# Altium PCB Beagle93.PCBDOC (part 6 of 7)
Units mm, origin at the board's own origin, x right, y up, seen from the top; angles counter-clockwise.
Board outline 86.3 x 85.3 mm, 6 copper layers (TopLayer, MidLayer1, MidLayer2, SignalLayer1, Internal Plane 1, BottomLayer), stack 1.528 mm thick; 387 components, 325 nets, 1796 pads, 884 vias.
Unrouted connection lines stored in the file: 7.
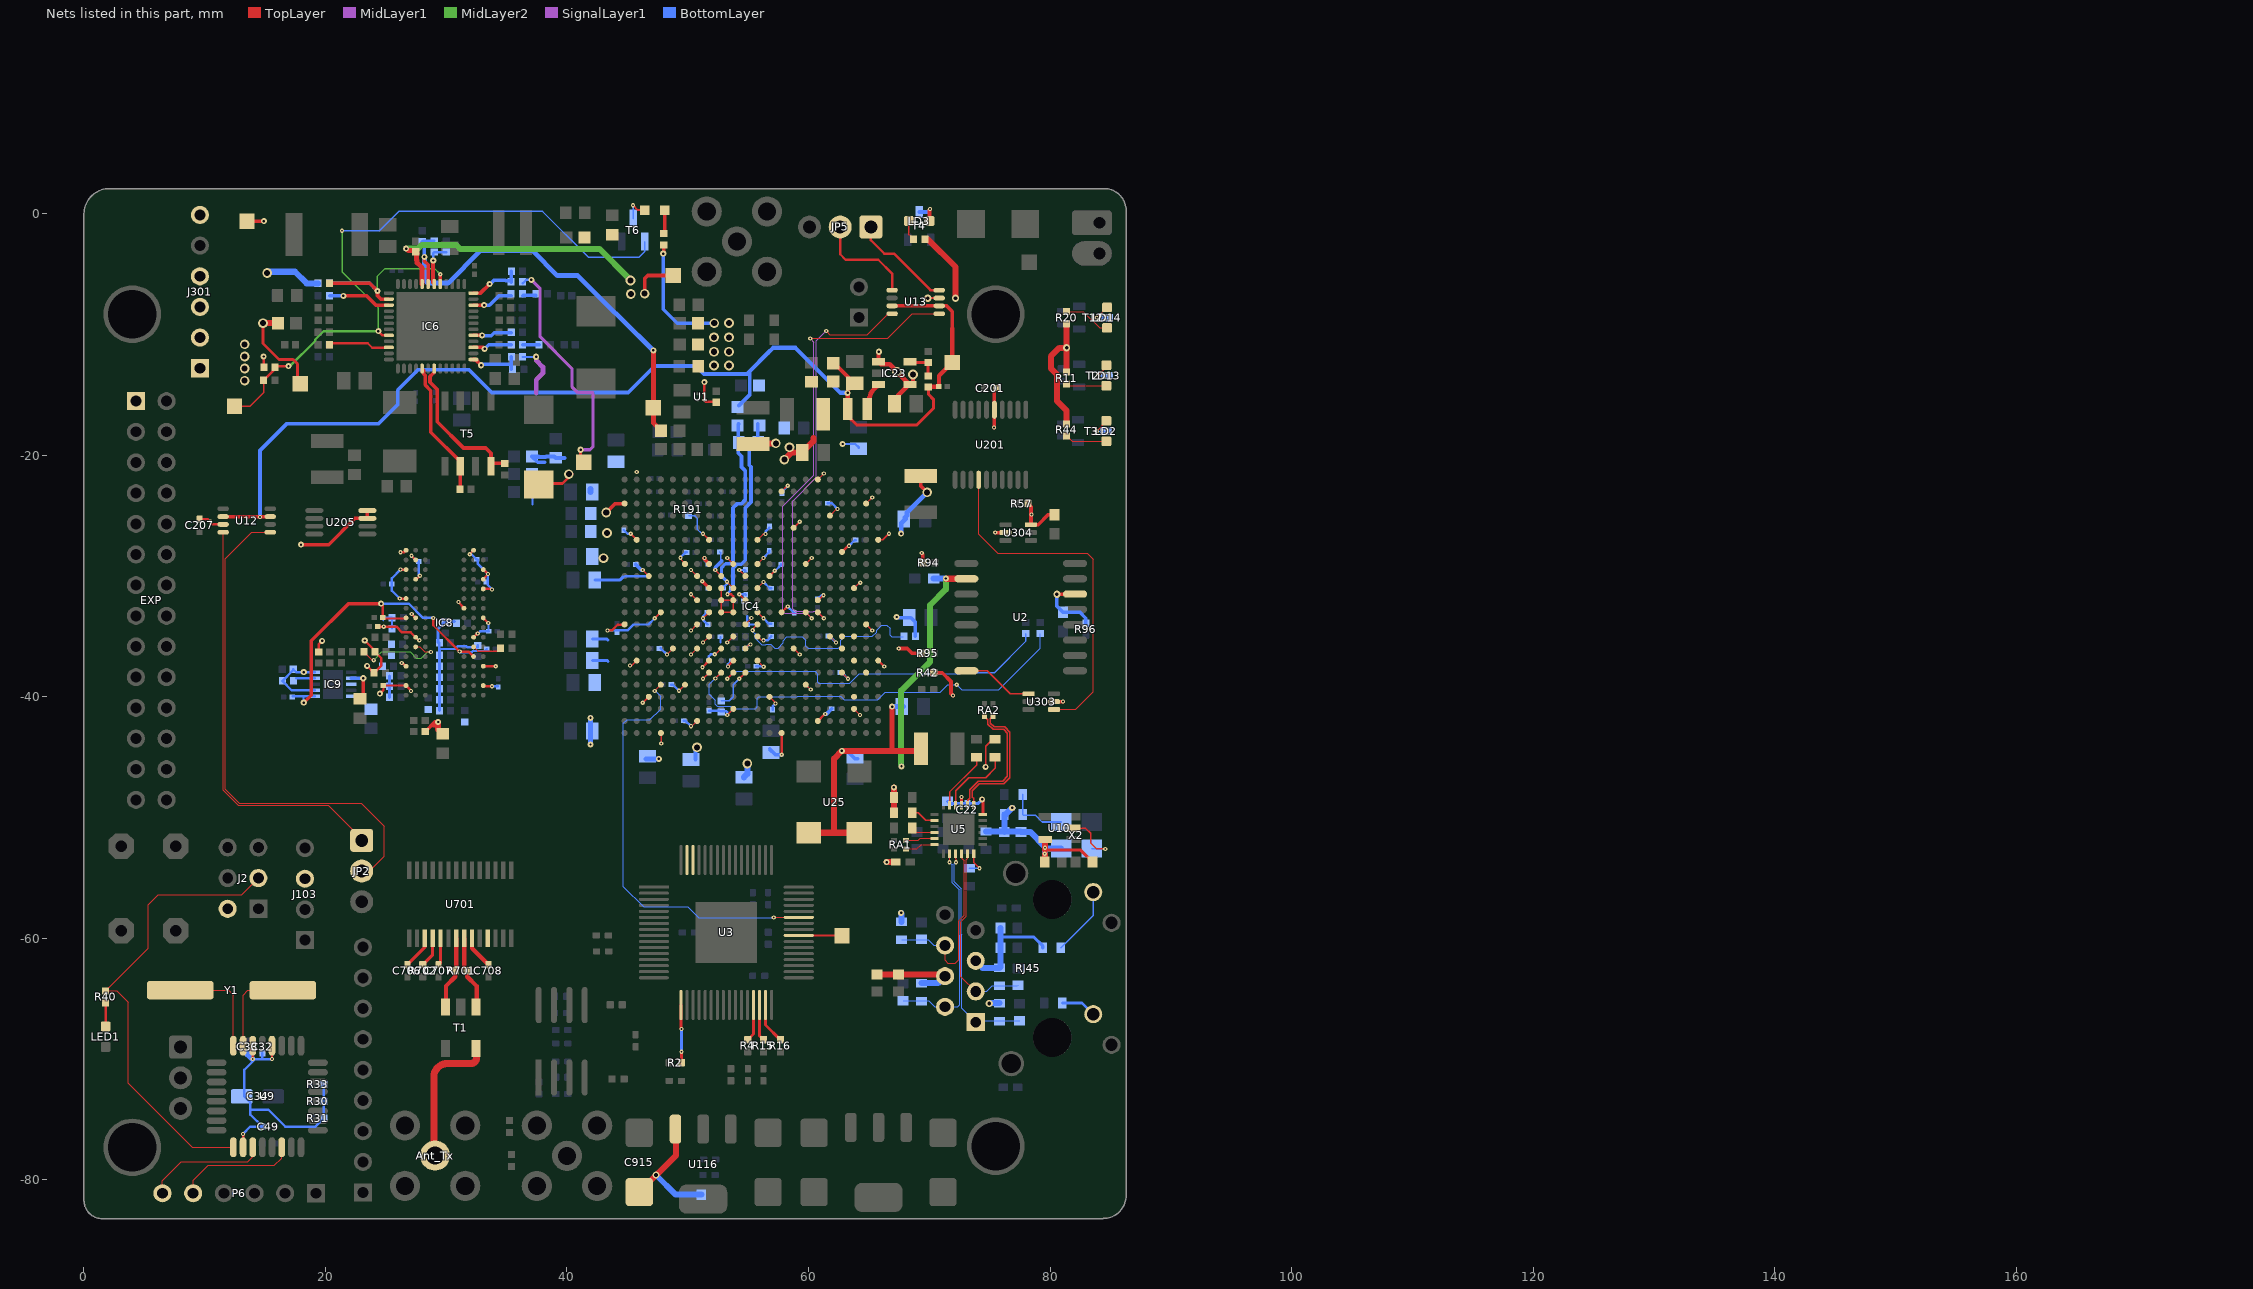
[diagram p10: the nets of this part, all layers, seen from the top]

## Via types
v1: diameter 0.35, hole 0.15, TopLayer to BottomLayer, tented both sides, 544 vias
v2: diameter 0.5, hole 0.2, TopLayer to BottomLayer, tented both sides, 183 vias
v3: diameter 0.6, hole 0.3, TopLayer to BottomLayer, tented both sides, 65 vias
v4: diameter 0.8, hole 0.5, TopLayer to BottomLayer, tented both sides, 53 vias
v5: diameter 0.8, hole 0.5, TopLayer to BottomLayer, 25 vias
v6: diameter 0.61, hole 0.305, TopLayer to BottomLayer, 12 vias
v7: diameter 0.508, hole 0.254, TopLayer to BottomLayer, 1 vias
v8: diameter 0.635, hole 0.381, TopLayer to BottomLayer, 1 vias

## Nets (pads, with @x,y where several pads share a name; then routed paths per layer and width w, separated by ;. In a path a pad name is that pad's centre, name@x,y a point inside that pad or via, vN(x,y) a via of type N, cw(c..) or ccw(c..) an arc to the next point about the centre after c; other vN are vias at no path point) (continued)
NetC706_2: C706.2 U701.17 | length 2.8
  TopLayer w0.254: C706.2@26.772,-62.185 28.229,-60.728 U701.17@28.229,-59.981
NetC707_2: C707.2 U701.19 | length 2.3
  TopLayer w0.254: C707.2@29.372,-62.185 29.529,-62.028 U701.19@29.529,-59.981
NetC708_2: C708.2 U701.23 | length 2.8
  TopLayer w0.361: U701.23@32.129,-59.981 32.129,-60.804 C708.2@33.495,-62.17
NetC915_1: C915.1 FR1.2 U116.3 | length 11
  TopLayer w0.5: C915.1@45.987,-80.998 49.031,-77.954 U116.3@49.031,-75.648
  BottomLayer w0.5: v3(47.372,-79.585) 49.002,-81.215 FR1.2@51.129,-81.215
NetIC4_F8: IC4.F8 R191.2 | length 3.1
  TopLayer w0.127: v1(51.272,-26.485) IC4.F8@51.772,-26.985
  BottomLayer w0.127: R191.2@50.072,-24.985 50.572,-24.985 50.772,-25.185 50.772,-26.085 51.172,-26.485 v1(51.272,-26.485)
NetIC4_N12: IC4.N12 R52.2 | length 17.2
  TopLayer w0.125: v1(55.375,-34.475) 55.285,-34.475 55.284,-34.473 IC4.N12@55.772,-33.985
  BottomLayer w0.09: v1(55.375,-34.475) 55.375,-34.581 55.575,-34.781 55.575,-35.124 56.131,-35.68 56.225,-35.68 56.375,-35.68 56.464,-35.68 56.502,-35.642 56.893,-35.642 57.198,-35.947 57.475,-35.947 57.895,-35.527 57.895,-35.339 58.209,-35.025 59.475,-35.025 59.772,-35.322 59.772,-35.785 59.972,-35.985 62.472,-35.985 62.672,-35.785 62.672,-35.285 62.972,-34.985 65.295,-34.985 65.642,-34.638 65.642,-34.462 66.063,-34.042 66.494,-34.042 66.774,-34.321 66.774,-34.88 66.914,-35.02 R52.2@67.84,-35.02
NetIC4_U9: IC4.U9 R48.2 | length 34.6
  TopLayer w0.125: v1(52.286,-38.465) 52.286,-38.471 IC4.U9@52.772,-37.985
  BottomLayer w0.1: v1@52.267,-38.465 v1(52.286,-38.465) 51.791,-38.96 51.791,-39.776 52.272,-40.258 52.272,-40.611 52.446,-40.785 53.572,-40.785 53.772,-40.985 55.611,-40.985 55.772,-40.824 55.772,-40.085 55.872,-39.985 59.072,-39.985 59.098,-39.959 62.667,-39.959 62.941,-40.234 65.723,-40.234 66.358,-39.599 70.917,-39.599 71.53,-38.985 v1(72.272,-38.985) 72.708,-39.421 75.736,-39.421 79.172,-35.985 R48.2@79.172,-34.755
NetIC4_U10: IC4.U10 R47.2 | length 28.5
  TopLayer w0.125: v1(53.272,-38.485) IC4.U10@53.772,-37.985
  BottomLayer w0.095: v1(53.272,-38.485) 53.872,-37.885 60.546,-37.885 60.772,-38.111 60.772,-38.785 60.845,-38.858 63.426,-38.858 64.199,-38.085 72.572,-38.085 72.672,-37.985
  BottomLayer w0.125: 72.672,-37.985 75.392,-37.985 77.972,-35.405 R47.2@77.972,-34.755
NetIC4_U11: IC4.U11 R46.2 | length 3.6
  TopLayer w0.125: v1(54.272,-38.485) IC4.U11@54.772,-37.985
  BottomLayer w0.125: R46.2@52.772,-40.315 53.442,-40.315 53.772,-39.985 53.772,-38.985 v1(54.272,-38.485)
NetIC4_V4: IC4.V4 U3.43 | length 35.1
  TopLayer w0.095: v1(57.125,-58.268) 57.14,-58.252 U3.43@59.195,-58.252
  TopLayer w0.1: v1(47.269,-39.497) 47.772,-38.994 IC4.V4@47.772,-38.985
  BottomLayer w0.095: 47.752,-40.996 46.863,-41.885 44.983,-41.885 44.679,-42.189 44.679,-55.702 46.355,-57.379 50.013,-57.379 50.902,-58.268 v1(57.125,-58.268)
  BottomLayer w0.1: v1(47.269,-39.497) 47.295,-39.497 47.752,-39.954 47.752,-40.996
NetIC6_5: IC6.5 IC6.14 R78.2 R81.2 | length 17.6
  TopLayer w0.3: R81.2@20.33,-5.746 23.67,-5.746 v2(24.305,-6.381) 24.305,-6.762 24.595,-7.052 IC6.14@25.25,-7.052 ; IC6.5@29.5,-5.802 v1(29.5,-4.996)
  MidLayer2 w0.125: v2(24.305,-6.381) 24.305,-5.145 24.925,-4.525 29.029,-4.525 v1(29.5,-4.996)
  BottomLayer w0.3: R78.2@20.33,-5.746 23.67,-5.746 v2(24.305,-6.381)
NetIC6_6: IC6.6 R92.1 R93.2 | length 3.7
  TopLayer w0.3: v2(28.925,-3.85) 28.9,-3.875 28.9,-5.702 IC6.6@29,-5.802
  BottomLayer w0.2: v2(28.925,-3.85) 28.925,-3.247 R92.1@29.004,-3.168 30.012,-3.168 R93.2@30.016,-3.172
NetIC6_15: IC6.15 R79.2 | length 5.2
  TopLayer w0.3: v2(21.486,-6.787) 23.416,-6.787 24.181,-7.552 IC6.15@25.25,-7.552
  BottomLayer w0.3: R79.2@20.355,-6.787 v2(21.486,-6.787)
NetIC6_22: IC6.22 R12.2 | length 5.1
  TopLayer w0.2: R12.2@20.33,-10.826 20.456,-10.7 23.498,-10.7 23.875,-11.077 25.225,-11.077 IC6.22@25.25,-11.052
NetIC6_29: IC6.29 R49.1 T5.2 | length 11.3
  TopLayer w0.25: IC6.29@28,-12.802 28.136,-12.938 28.136,-13.263 28.139,-13.266
  TopLayer w0.3: 28.139,-13.266 28.25,-13.377 28.25,-14.157 28.724,-14.63 28.724,-18.065 31.163,-20.504 T5.2@31.163,-20.892 31.163,-22.767 R49.1@31.13,-22.8
NetIC6_31: IC6.31 R66.1 T5.4 | length 12.3
  TopLayer w0.3: IC6.31@29,-12.802 29,-13.15 28.972,-13.15 28.889,-13.233 28.889,-13.238 28.661,-13.466 28.656,-13.466 28.65,-13.472 28.65,-13.928 28.66,-13.937 28.66,-13.941 28.982,-14.264 28.986,-14.264 29.25,-14.528 29.25,-17.203 31.433,-19.386 33.271,-19.386 33.703,-19.818 33.703,-20.642 R66.1@34.85,-20.642
NetIC6_37: IC6.37 R61.2 R65.2 | length 4.3
  TopLayer w0.3: IC6.37@32.25,-12.052 32.414,-12.052 v2(32.89,-12.528)
  BottomLayer w0.3: v2(32.89,-12.528) 32.968,-12.45 35.392,-12.45 R61.2@35.392,-11.842 ; R65.2@35.392,-12.858 35.392,-12.528
NetIC6_39: IC6.39 R64.2 | length 3.3
  TopLayer w0.3: IC6.39@32.25,-11.052 33.073,-11.052 v2(33.185,-11.163)
  BottomLayer w0.3: v2(33.185,-11.163) 33.522,-10.826 R64.2@35.392,-10.826
NetIC6_41: IC6.41 R85.2 | length 3.2
  TopLayer w0.3: IC6.41@32.25,-10.052 v2(32.978,-10.052)
  BottomLayer w0.3: v2(32.978,-10.052) 33.003,-10.077 33.738,-10.077 33.979,-9.835 R85.2@35.367,-9.835
NetIC6_46: IC6.46 R71.2 | length 3.5
  TopLayer w0.3: IC6.46@32.25,-7.552 v2(33.142,-7.552)
  BottomLayer w0.3: v2(33.142,-7.552) 33.576,-7.552 34.366,-6.762 R71.2@35.392,-6.762
NetIC6_48: IC6.48 R69.1 R72.2 | length 4.6
  TopLayer w0.3: IC6.48@32.25,-6.552 32.84,-6.552 v2(33.596,-5.797)
  BottomLayer w0.3: v2(33.596,-5.797) 33.65,-5.797 33.958,-5.488 34.888,-5.488 34.94,-5.541 35.283,-5.541 35.392,-5.65 R72.2@35.392,-4.73
NetIC8_L2: IC8.L2 R124.2 | length 8
  TopLayer w0.1: R124.2@23.37,-36.175 23.37,-36.445 23.875,-36.95 v1(24,-36.95) ; IC8.L2@27.467,-35.851 27.788,-35.851 28.212,-36.275 v1(28.725,-36.275)
  MidLayer2 w0.1: v1(24,-36.95) 24.675,-36.275 27,-36.275 27.5,-36.775 27.95,-36.775 28.45,-36.275 v1(28.725,-36.275)
NetIC8_L8: IC8.L8 R125.2 | length 2.4
  TopLayer w0.125: IC8.L8@32.267,-35.851 32.618,-36.202 34.491,-36.202 R125.2@34.505,-36.189
NetIC9_9: IC9.9 R127.1 | length 1.5
  BottomLayer w0.2: R127.1@17.595,-38.45 IC9.9@19.125,-38.45
NetIC23_3: IC23.3 L10.1 | length 2.1
  TopLayer w0.3: L10.1@64.856,-16.16 cw(c65.679,-16.16) L10.1@65.097,-15.578
  TopLayer w0.4: L10.1@65.05,-15.375 cw(c66.245,-15.375) 65.4,-14.53 IC23.3@65.798,-14.132
NetIC23_5: IC23.5 R14.1 R67.2 | length 2.5
  TopLayer w0.25: IC23.5@68.478,-12.312 R67.2@69.898,-12.312 R14.1@69.898,-13.404
NetJ301_1: J301.1
NetJ301_2: J301.2
NetJ301_3: J301.3
NetJ301_4: J301.4
NetJP2_1: JP2.1 U12.8 | length 34.6
  TopLayer w0.1: U12.8@11.522,-26.36 11.522,-47.735 12.772,-48.985 20.239,-48.985 23,-51.746 JP2.1@23,-51.878
NetJP2_2: JP2.2 U12.1 | length 43
  TopLayer w0.1: U12.1@15.422,-26.36 13.897,-26.36 11.711,-28.546 11.711,-47.657 12.839,-48.785 22.972,-48.785 24.872,-50.685 24.872,-53.185 23.639,-54.418 JP2.2@23,-54.418
NetJP5_1: JP5.1 U13.8 | length 8.5
  TopLayer w0.2: JP5.1@65.164,-1.078 65.164,-2.177 66.272,-3.285 67.072,-3.285 70.097,-6.31 U13.8@70.822,-6.31
NetJP5_2: JP5.2 U13.1 | length 8.6
  TopLayer w0.2: JP5.2@62.624,-1.078 62.624,-3.337 63.072,-3.785 65.772,-3.785 66.922,-4.935 U13.1@66.922,-6.31
NetLD2_1: LD2.1 R44.1 | length 3.5
  TopLayer w0.1: R44.1@81.372,-18.385 81.822,-18.835 LD2.1@84.672,-18.835
NetLD2_2: LD2.2 T3.3 | length 1.9
  TopLayer w0.1: v1(83.872,-17.985) 84.672,-17.185 LD2.2@84.672,-17.135
  BottomLayer w0.1: v1(83.872,-17.985) T3.3@84.622,-17.985
NetLD3_1: LD3.1 R55.1 | length 1.7
  TopLayer w0.125: LD3.1@68.322,-0.585 68.322,-1.705 R55.1@68.702,-2.085
NetLD3_2: LD3.2 T4.3 | length 2
  TopLayer w0.3: LD3.2@70.022,-0.585 70.022,0.365 v1(70.072,0.415)
  BottomLayer w0.3: T4.3@69.172,0.165 69.822,0.165 v1(70.072,0.415)
NetLD4_1: LD4.1 R82.1 | length 2
  TopLayer w0.3: R82.1@48.019,-1.624 48.082,-1.561 LD4.1@48.082,0.319
NetLD4_2: LD4.2 T6.3 | length 2.2
  TopLayer w0.15: v1(45.472,0.715) 45.868,0.319 LD4.2@46.432,0.319
  BottomLayer w0.15: v1(45.472,0.715) 45.479,0.708 T6.3@45.479,-0.382
NetLD13_1: LD13.1 R11.1 | length 3.4
  TopLayer w0.1: R11.1@81.372,-14.085 81.522,-14.235 LD13.1@84.672,-14.235
NetLD13_2: LD13.2 T2.3 | length 1.9
  TopLayer w0.1: v1(83.972,-13.385) 84.672,-12.685 LD13.2@84.672,-12.535
  BottomLayer w0.1: v1(83.972,-13.385) T2.3@84.722,-13.385
NetLD14_1: LD14.1 R20.1 | length 3.9
  TopLayer w0.1: R20.1@81.372,-8.085 82.772,-8.085 84.122,-9.435 LD14.1@84.722,-9.435
NetLD14_2: LD14.2 T12.3 | length 2.1
  TopLayer w0.125: v1(83.872,-8.585) LD14.2@84.722,-7.735
  BottomLayer w0.125: v1(83.872,-8.585) T12.3@84.722,-8.585
NetLED1_A: LED1.A R40.2 | length 1.9
  TopLayer w0.2: LED1.A@1.791,-67.284 R40.2@1.791,-65.34
NetP6_5: P6.5 U9.22 | length 10.1
  TopLayer w0.1: P6.5@9.04,-81.1 9.04,-80.017 10.272,-78.785 15.772,-78.785 16.372,-78.185 U9.22@16.372,-77.285
NetP6_6: P6.6 U9.19 | length 10.1
  TopLayer w0.1: P6.6@6.5,-81.1 6.5,-80.057 8.072,-78.485 13.572,-78.485 13.972,-78.085 U9.19@13.972,-77.285
NetR2_1: R2.1 U3.17 | length 4.8
  TopLayer w0.254: U3.17@49.445,-65.502 49.445,-67.458 v1(49.472,-67.485) ; R2.1@49.472,-70.285 v1(49.472,-69.385)
  BottomLayer w0.254: v1(49.472,-69.385) v1(49.472,-67.485)
NetR4_1: R4.1 U3.29 | length 3.1
  TopLayer w0.254: R4.1@54.972,-68.385 55.445,-67.912 U3.29@55.445,-65.502
NetR15_1: R15.1 U3.30 | length 3
  TopLayer w0.254: U3.30@55.945,-65.502 55.945,-68.058 R15.1@56.272,-68.385
NetR16_1: R16.1 U3.31 | length 3.4
  TopLayer w0.254: U3.31@56.445,-65.502 56.445,-67.158 R16.1@57.672,-68.385
NetR17_1: R17.1 U5.10 | length 6.1
  TopLayer w0.127: U5.10@72.185,-48.969 72.185,-47.772 73.272,-46.685 74.672,-46.685 75.451,-45.906 R17.1@75.451,-45.008
NetR24_2: R24.2 U5.14 | length 2.1
  TopLayer w0.115: R24.2@68.581,-49.592 69.079,-49.592 69.706,-50.219 U5.14@70.435,-50.219
NetR27_2: R27.2 U5.24 | length 2.3
  TopLayer w0.125: U5.24@73.685,-52.969 73.685,-53.698 v1(74.172,-54.185)
  BottomLayer w0.125: R27.2@73.322,-54.185 v1(74.172,-54.185)
NetR29_1: R29.1 U5.11 | length 4.9
  TopLayer w0.127: U5.11@71.685,-48.969 71.685,-47.872 73.927,-45.63 R29.1@73.927,-45.008
NetR32_2: R32.2 RJ45.10 | length 2.9
  BottomLayer w0.254: R32.2@81.027,-65.34 82.65,-65.34 RJ45.10@83.58,-66.27
NetR34_2: R34.2 RJ45.12 | length 5.7
  BottomLayer w0.127: R34.2@80.9,-60.768 83.58,-58.088 RJ45.12@83.58,-56.16
NetR35_1: R35.1 R37.2 X2.1 | length 5.1
  BottomLayer w0.127: R37.2@77.725,-48.068 R35.1@77.725,-49.719 77.791,-49.785 78.772,-49.785 79.341,-50.354 X2.1@80.912,-50.354
NetR36_1: R36.1 U5.16 | length 2
  TopLayer w0.095: R36.1@68.581,-50.862 68.938,-51.219 U5.16@70.435,-51.219
NetR63_2: R63.2 R64.1 | length 1.3
  BottomLayer w0.3: R64.1@36.332,-10.826 R63.2@37.678,-10.826
NetR70_2: R70.2 R71.1 | length 1.1
  BottomLayer w0.3: R71.1@36.332,-6.762 36.369,-6.725 37.387,-6.725 R70.2@37.424,-6.762
NetR701_1: R701.1 T1.3 U701.22 | length 5.4
  TopLayer w0.361: U701.22@31.479,-59.981 31.479,-62.404 R701.1@31.745,-62.67 31.745,-63.17 32.515,-63.94 32.515,-64.955
NetR701_2: R701.2 T1.1 U701.21 | length 5.3
  TopLayer w0.361: 29.975,-64.955 29.975,-63.94 30.745,-63.17 R701.2@30.745,-62.67 30.829,-62.586 U701.21@30.829,-59.981
NetR702_1: R702.1 U701.18 | length 2.5
  TopLayer w0.254: R702.1@28.055,-62.17 28.879,-61.346 U701.18@28.879,-59.981
NetTP20_1: DFS.1 U3.40 | length 3.6
  TopLayer w0.095: DFS.1@62.739,-59.752 DFS.1@62.772,-59.785
  TopLayer w0.127: U3.40@59.195,-59.752 DFS.1@62.739,-59.752
NetU2_8: U2.8 U303.1 | length 5.9
  TopLayer w0.115: U2.8@73.072,-37.83 74.817,-37.83 76.722,-39.735 U303.1@78.222,-39.735
NetU3_62: U3.62
NetU3_63: U3.63
NetU9_7: U9.7 Y1.2 | length 7.7
  TopLayer w0.1: U9.7@13.172,-68.885 13.172,-64.685 13.572,-64.285 Y1.2@16.472,-64.285
NetU9_8: U9.8 Y1.1 | length 8.8
  TopLayer w0.1: Y1.1@7.972,-64.285 11.972,-64.285 12.372,-64.685 U9.8@12.372,-68.885
NetU10_2: U10.2 X2.3 | length 4.9
  TopLayer w0.127: U10.2@81.96,-50.862 82.949,-50.862 83.372,-51.285 83.372,-52.085 83.872,-52.585 v1(84.572,-52.585)
  BottomLayer w0.127: X2.3@83.452,-52.554 84.541,-52.554 v1(84.572,-52.585)
NetU701_25: U701.25
OMAP_FLASH_DRV_N: U201.14 U303.4 | length 29.7
  TopLayer w0.1: U201.14@74.095,-22.012 74.095,-26.508 75.672,-28.085 83.072,-28.085 83.572,-28.585 83.572,-39.585 82.122,-41.035 U303.4@80.322,-41.035
OUTPUT: Ant_Tx.1 T1.4 | length 13
  TopLayer w0.6: Ant_Tx.1@28.975,-77.5 28.975,-72.204 ; 32.515,-69.881 cw(c32.036,-69.881) 32.036,-70.36 30.071,-70.36 ; 28.975,-72.204 cw(c30.975,-72.207) 28.975,-72.197 ; 28.975,-72.204 cw(c30.975,-72.207) 28.975,-72.197 ; 28.975,-72.204 ccw(c30.975,-72.207) 28.975,-72.207 cw(c30.975,-72.207) 28.975,-72.204 ; 28.975,-72.204 28.975,-71.451 28.975,-72.197 ; 30.071,-70.36 ccw(c30.071,-71.451) 28.98,-71.445 cw(c30.071,-71.451) 30.071,-70.36
P1V0: C91.1 C92.2 C93.2 C94.2 C95.2 C96.2 C102.2 C103.2 C104.2 C105.2 C106.2 C107.2 C108.2 C109.2 C110.2 C141.2 IC4.H8 IC4.H10 IC4.J7 IC4.J9 IC4.K8 IC4.L7 IC4.M8 IC4.N7 IC4.P8 IC4.P10 IC4.R7 IC4.R9 IC4.T8 IC4.T10 L11.2 L12.2 L28.2 R69.2 TP9.1 | length 57.6
  TopLayer w0.125: v1(50.272,-36.485) IC4.R7@50.772,-35.985 ; v1(50.272,-34.485) IC4.N7@50.772,-33.985 ; v1(50.272,-31.485) IC4.L7@50.772,-31.985 ; v1(50.272,-29.485) IC4.J7@50.772,-29.985 ; v1(51.272,-35.485) IC4.P8@51.772,-34.985 ; v1(51.272,-33.485) IC4.M8@51.772,-32.985 ; v1(52.236,-36.465) 52.292,-36.465 IC4.R9@52.772,-35.985 ; v1(52.272,-29.485) IC4.J9@52.772,-29.985 ; v1(53.272,-35.485) IC4.P10@53.772,-34.985 ; v1(53.272,-28.485) IC4.H10@53.772,-28.985
  TopLayer w0.2: v1(51.225,-37.532) IC4.T8@51.772,-36.985 ; v1(53.325,-37.485) 53.325,-37.432 IC4.T10@53.772,-36.985
  TopLayer w0.25: C91.1@37.65,-22.4 37.725,-22.325 39.625,-22.325 40.4,-21.55 v4(40.15,-21.55) ; TP9.1@41.125,-20.825 v2(41.125,-19.525)
  TopLayer w0.3: v1(51.2,-30.413) IC4.K8@51.772,-30.985 ; v1@51.35,-28.525 v1(51.386,-28.489) 51.386,-28.599 IC4.H8@51.772,-28.985
  MidLayer1 w0.25: v2(37.047,-5.458) 37.775,-6.186 37.775,-10.175 40.4,-12.8 40.4,-14.3 40.9,-14.8 42.15,-14.8 42.15,-19.283 41.908,-19.525 v2(41.125,-19.525)
  BottomLayer w0.15: 37.15,-24.05 L28.2@37.15,-23.025 ; 52.406,-29.112 52.433,-29.085 52.725,-28.793 52.725,-28.07 C104.2@52.651,-27.996 ; C103.2@52.7,-35.007 52.7,-35.476 52.709,-35.485 ; v1@53.325,-37.425 v1@53.4,-37.425
  BottomLayer w0.2: R69.2@36.332,-5.746 36.62,-5.458 v2(37.047,-5.458) ; 44.8,-30 46.8,-30 ; v1(51.386,-28.489) 51.386,-28.711 C95.2@51.675,-29 ; C105.2@51.6,-32.982 51.272,-33.31 v1(51.272,-33.485) 51.272,-33.622 C106.2@51.65,-34 ; C108.2@51.75,-37 51.75,-36.627 51.912,-36.465 v1(52.236,-36.465) ; v1(53.325,-37.485) 53.325,-37.425 53.325,-37.3 C107.2@53.625,-37
  BottomLayer w0.25: L28.2@37.1,-23.025 37.575,-22.55 38.4,-22.55 ; L11.2@37.1,-21.55 37.6,-22.05 38.15,-22.05 ; C92.2@42.096,-36.988 43.338,-36.988 43.4,-37.05 ; C110.2@42.096,-35.21 43.31,-35.21 43.4,-35.3 ; C93.2@42.3,-30.3 44.4,-30.3 44.65,-30.05
  BottomLayer w0.3: L12.2@37.1,-20.075 37.15,-20.125 37.575,-20.55 38.15,-20.55 ; v1(52.272,-29.485) 52.272,-29.283 52.815,-28.74
  BottomLayer w0.35: L28.2@37.1,-23.025 37.15,-23.025 37.825,-23.025 ; L11.2@37.1,-21.55 37.875,-21.55 ; L12.2@37.1,-20.075 37.661,-20.075 ; L12.2@37.15,-20.125 38.238,-20.125 38.288,-20.075 38.95,-20.075 C141.2@39.075,-20.2 39.8,-20.2 ; C96.2@50.65,-45.15 50.65,-44.276 v4(50.761,-44.165)
  other v1: 45.775,-21.375
P1V2: C158.2 IC6.7 L18.1 R92.2 TP11.1 | length 39.9
  TopLayer w0.3: v2(28.19,-3.55) 28.19,-3.893 28.5,-4.203 IC6.7@28.5,-5.802
  TopLayer w0.4: v2(47.15,-11.3) TP11.1@47.15,-16.05 47.15,-17.3 L18.1@47.8,-17.95
  BottomLayer w0.2: C158.2@28,-2.3 28.072,-2.228 R92.2@29.004,-2.228 28.932,-2.3 C158.2@28,-2.3
  BottomLayer w0.3: C158.2@28,-2.3 28.19,-2.49 v2(28.19,-3.55)
  BottomLayer w0.4: v2(28.19,-3.55) 28.19,-5.44 28.475,-5.725 30.15,-5.725 32.825,-3.05 37.15,-3.05 39.2,-5.1 40.887,-5.1 47.087,-11.3 v2(47.15,-11.3) 45.95,-10.1
P1V5: C60.2 C64.2 C81.2 C82.2 C83.2 C84.2 C85.2 C164.2 C165.2 C166.2 C167.2 C168.2 C169.2 C170.2 C171.2 C176.2 C240.2 IC4.C1 IC4.F2 IC4.H6 IC4.J3 IC4.M4 IC4.N1 IC8.A1 IC8.A8 IC8.B2 IC8.C1 IC8.C9 IC8.D2 IC8.D9 IC8.E9 IC8.F1 IC8.G7 IC8.H2 IC8.H9 IC8.K2 IC8.K8 IC8.N1 IC8.N9 IC8.R1 IC8.R9 IC9.2 L17.2 R61.1 R128.1 TP10.1 | length 56.9
  TopLayer w0.125: v1(45.272,-26.485) IC4.F2@45.772,-26.985 ; v1(46.272,-29.485) IC4.J3@46.772,-29.985 ; v1(47.272,-33.485) IC4.M4@47.772,-32.985 ; v1(49.4,-28.475) 49.4,-28.575 49.772,-28.947 IC4.H6@49.772,-28.985
  TopLayer w0.2: R128.1@19.425,-36.255 19.425,-35.65 v2(19.725,-35.35) ; C168.2@24.325,-34.175 v1(24.825,-34.175) 25.875,-34.175 26.35,-34.65 27.066,-34.65 IC8.K2@27.467,-35.051 27.716,-35.3 v1(27.773,-35.3) ; v2(24.5,-39.725) 24.8,-39.425 C167.2@24.8,-39.05 IC8.R1@26.667,-39.051 ; v1(26.151,-31.851) IC8.F1@26.667,-31.851 ; v1(26.209,-28.009) 26.509,-28.009 IC8.A1@26.667,-27.851 ; v1(26.217,-29.451) IC8.C1@26.667,-29.451 ; v1(26.309,-37.19) 26.319,-37.199 26.388,-37.199 26.64,-37.451 IC8.N1@26.667,-37.451 ; IC8.R1@26.667,-39.051 27.071,-39.455 v1(27.071,-39.505) ; v1(27.125,-28.309) IC8.B2@27.467,-28.651 ; v1(27.141,-33.125) IC8.H2@27.467,-33.451 ; IC8.D2@27.467,-30.251 27.523,-30.251 v1(27.813,-29.962) ; v1(31.005,-32.131) 31.005,-32.16 31.467,-32.622 IC8.G7@31.467,-32.651 ; v1(31.943,-28.175) IC8.A8@32.267,-27.851 ; IC8.K8@32.267,-35.051 v1@32.578,-34.74 ; IC8.R9@33.067,-39.051 33.131,-39.115 v1(33.785,-39.115) v1@33.81,-39.115 ; IC8.N9@33.067,-37.451 v1(34.101,-37.451) ; IC8.H9@33.067,-33.451 33.067,-33.459 33.475,-33.867 v1(33.475,-33.875) ; IC8.D9@33.067,-30.207 33.089,-30.207 33.46,-29.836 v1(33.46,-29.814) 33.445,-29.814 33.082,-29.451 IC8.C9@33.067,-29.451 ; IC8.E9@33.164,-31.025 33.567,-31.025 33.603,-31.061 33.756,-31.061 v1(33.785,-31.089) ; v1(43.355,-34.489) 43.364,-34.48 43.737,-34.48 44.193,-34.023 44.734,-34.023 IC4.N1@44.772,-33.985
  TopLayer w0.25: v4(14.827,-9.048) 14.827,-10.727 16.15,-12.05 17.321,-12.05 17.678,-12.406 TP10.1@17.678,-13.828
  TopLayer w0.3: TP10.1@17.678,-13.828 TP10.1@17.9,-14.05 ; C176.2@22.85,-40.15 23.125,-39.875 v2(23.125,-38.45) ; v1@32.578,-34.74 v1(32.61,-34.74) ; v4(43.25,-24.725) 43.99,-23.985 IC4.C1@44.772,-23.985
  TopLayer w0.5: v4(14.827,-9.048) L17.2@16.062,-9.048
  MidLayer1 w0.4: 37.45,-14.85 37.45,-13.725 38,-13.175 38,-12.677 37.45,-12.127 v2(37.45,-11.825)
  BottomLayer w0.2: v1(26.151,-31.851) 25.5,-31.2 C169.2@25.5,-30.65 25.5,-30.168 v1(26.217,-29.451) ; v1(27.125,-28.309) 27.587,-28.771 C164.2@27.739,-28.771 27.739,-29.888 v1(27.813,-29.962) ; v1(31.943,-28.175) 31.953,-28.185 32.085,-28.185 32.5,-28.6 C166.2@32.525,-28.6 32.55,-28.6 32.6,-28.65 32.6,-28.955 v1(33.46,-29.814) 33.46,-29.828 33.435,-29.853 33.435,-30.726 33.792,-31.083 33.81,-31.101 33.798,-31.089 v1(33.785,-31.089) ; v1(32.61,-34.74) 32.65,-34.74 32.84,-34.55 C170.2@33.525,-34.55 33.5,-34.525 33.5,-33.9 v1(33.475,-33.875) ; v1@33.8,-39.1 C171.2@34.275,-39.1 ; R61.1@36.332,-11.842 v2@37.433,-11.842 ; v1(43.355,-34.489) 45.011,-34.489 45.5,-34 46.757,-34 v1(47.272,-33.485) ; C64.2@44.7,-26.175 45.01,-26.485 v1(45.272,-26.485) ; v1(49.4,-28.475) 49.4,-28.425 49.8,-28.025 C83.2@49.925,-28.025
  BottomLayer w0.3: IC9.2@22.125,-38.45 v2(23.125,-38.45) ; C85.2@45.7,-29.025 v1@46.17,-29.495
  BottomLayer w0.5: C81.2@41.946,-23.018 C81.2@41.946,-22.771
  other v4: 43.025,-28.5 43.31,-26.414
P1V8: C231.2 C232.2 EXP.1 L4.1 L10.2 L26.1 R14.2 TP12.1 U12.3 U12.6 U13.3 U13.6 | length 97.5
  TopLayer w0.15: v1@14.547,-25.06 v1(14.572,-25.085) v1@14.597,-25.06
  TopLayer w0.25: L10.2@63.256,-16.757 63.984,-17.485 68.965,-17.485 70.336,-16.114 70.336,-15.333 69.942,-14.939 69.942,-14.3 R14.2@69.898,-14.344
  TopLayer w0.3: U12.6@11.522,-25.06 v1@14.547,-25.06 ; v1@14.597,-25.06 U12.3@15.422,-25.06 ; U13.3@66.922,-7.61 U13.6@70.822,-7.61 71.425,-7.61 71.9,-8.085 71.9,-9.485
  TopLayer w0.35: L26.1@62.389,-12.639 63.756,-14.006 C231.2@63.468,-14.272 ; R14.2@69.942,-14.3 C232.2@70.8,-14.3 70.8,-13.4 TP12.1@71.9,-12.3 71.9,-9.485 ; L10.2@63.243,-16.129 ccw(c63.287,-16.129) L10.2@63.256,-16.16 ; L10.2@63.243,-16.129 ccw(c63.287,-16.129) L10.2@63.256,-16.16 ; L10.2@63.243,-16.129 ccw(c63.287,-16.129) L10.2@63.256,-16.16 ; L10.2@63.243,-16.129 v2(63.243,-14.814) ; v2(63.243,-14.814) cw(c64.01,-14.814) C231.2@63.468,-14.272 ; v2(63.243,-14.814) cw(c64.01,-14.814) C231.2@63.468,-14.272 ; v2(63.243,-14.814) cw(c64.01,-14.814) C231.2@63.468,-14.272
  BottomLayer w0.3: v1(14.572,-25.085) 14.572,-19.585 16.772,-17.385 24.372,-17.385 25.972,-15.785 25.972,-14.585 27.672,-12.885 31.872,-12.885 33.772,-14.785 45.072,-14.785 47.272,-12.585 50.672,-12.585 51.34,-13.253 54.904,-13.253 55.15,-13.007 55.15,-13.95 55.15,-14.948 L4.1@54.238,-15.86
  BottomLayer w0.35: 55.15,-13.007 56.672,-11.485 56.672,-11.478 57.065,-11.085 58.923,-11.085 62.652,-14.814 v2(63.243,-14.814)